# Altium PCB ActuatorControl_Board_v30.PcbDoc (part 1 of 3)
Units mil, origin at the board's own origin, x right, y up, seen from the top; angles counter-clockwise.
Board outline 3947.73 x 3947.73 mil, 2 copper layers (Top Layer, Bottom Layer); 150 components, 98 nets, 452 pads, 1502 vias.
Unrouted connection lines stored in the file: 26.
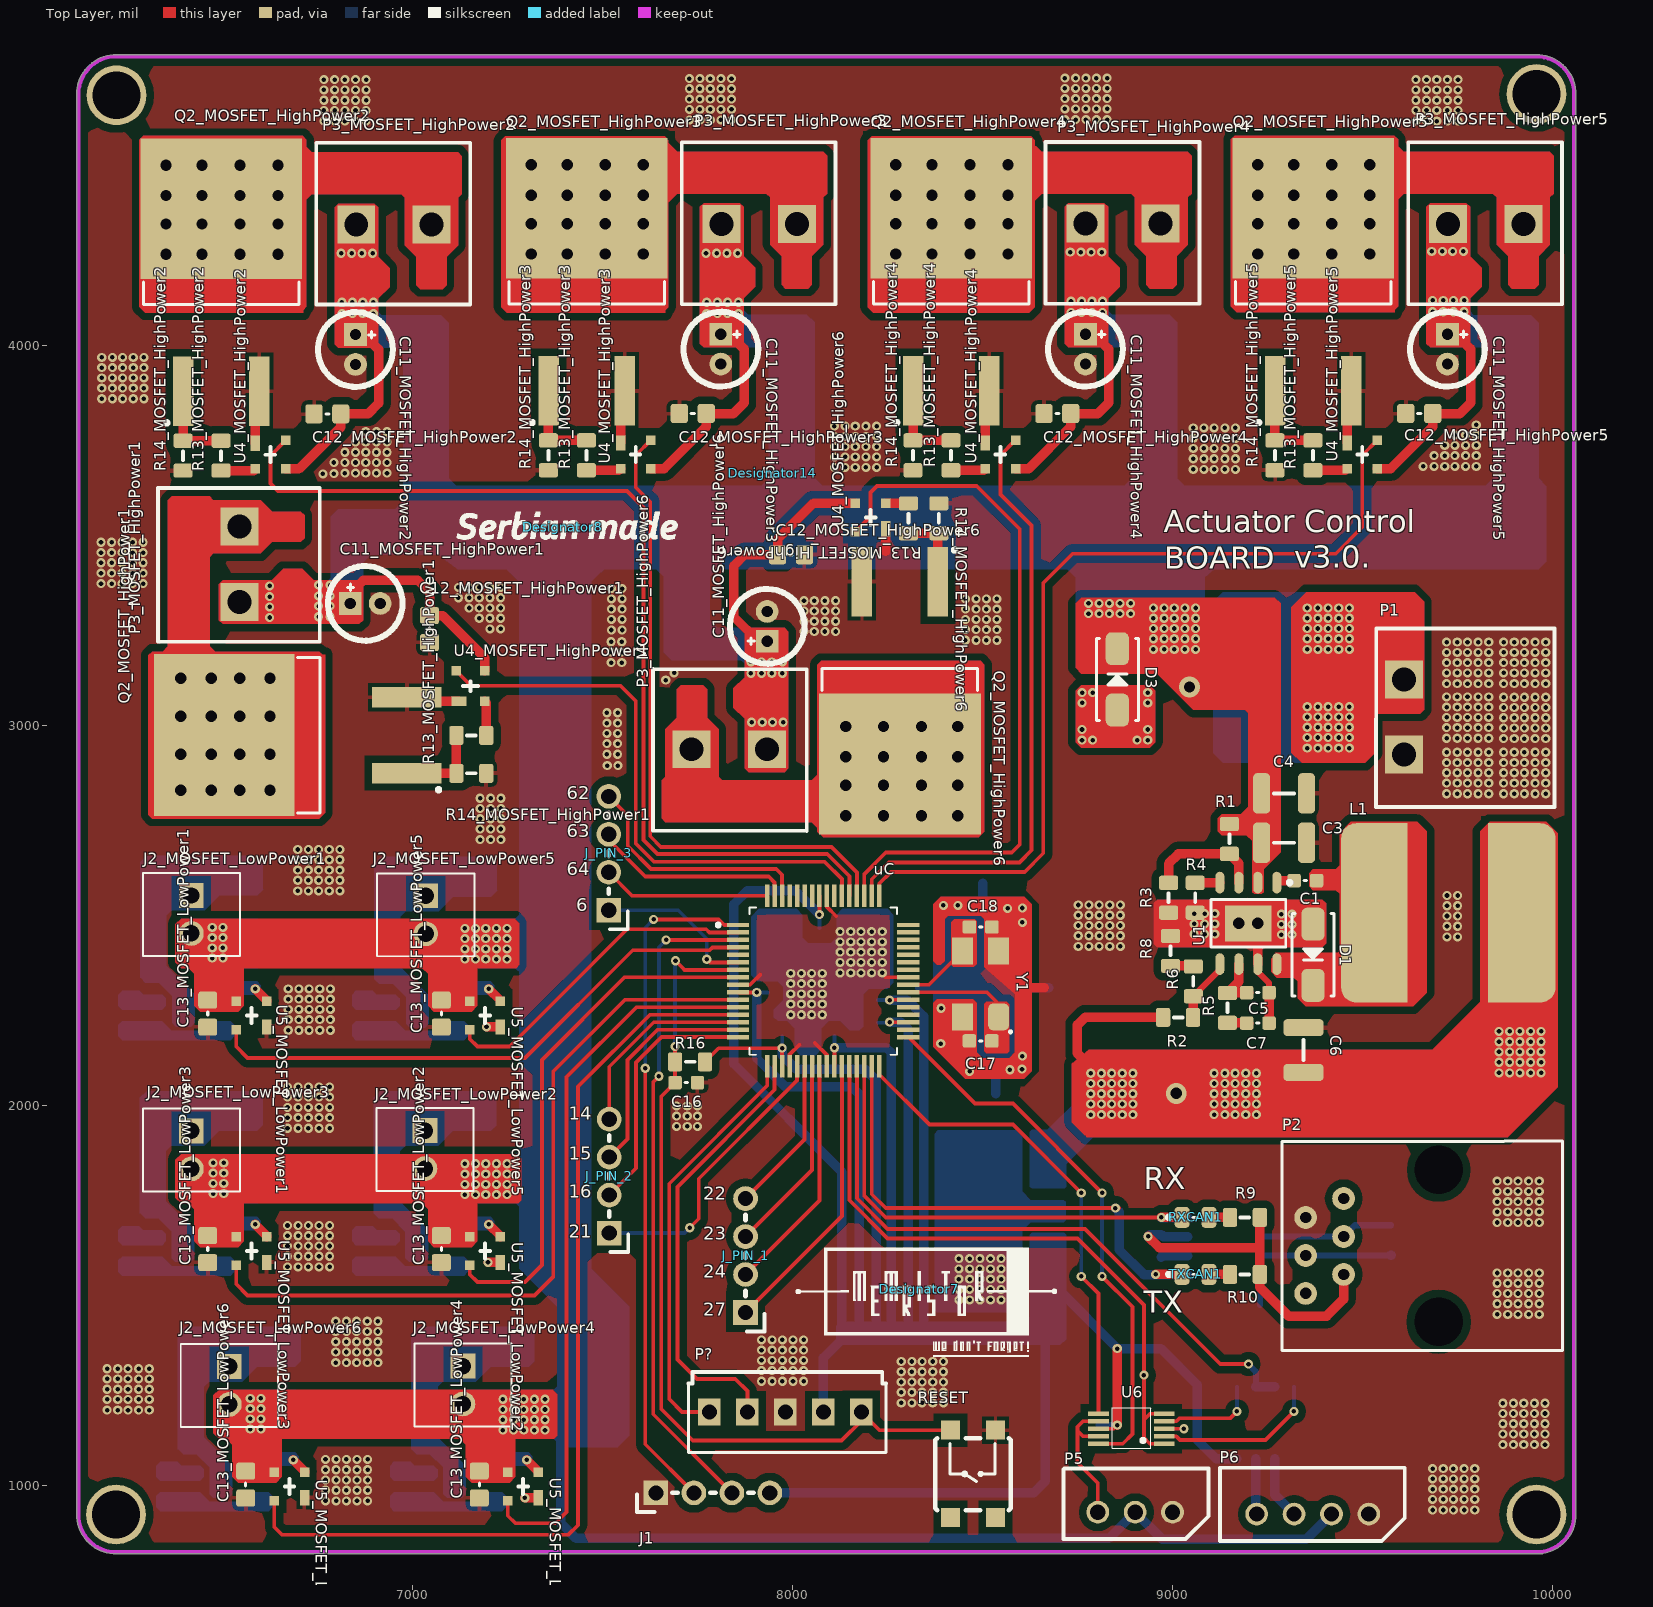
[diagram p0: Top Layer view]
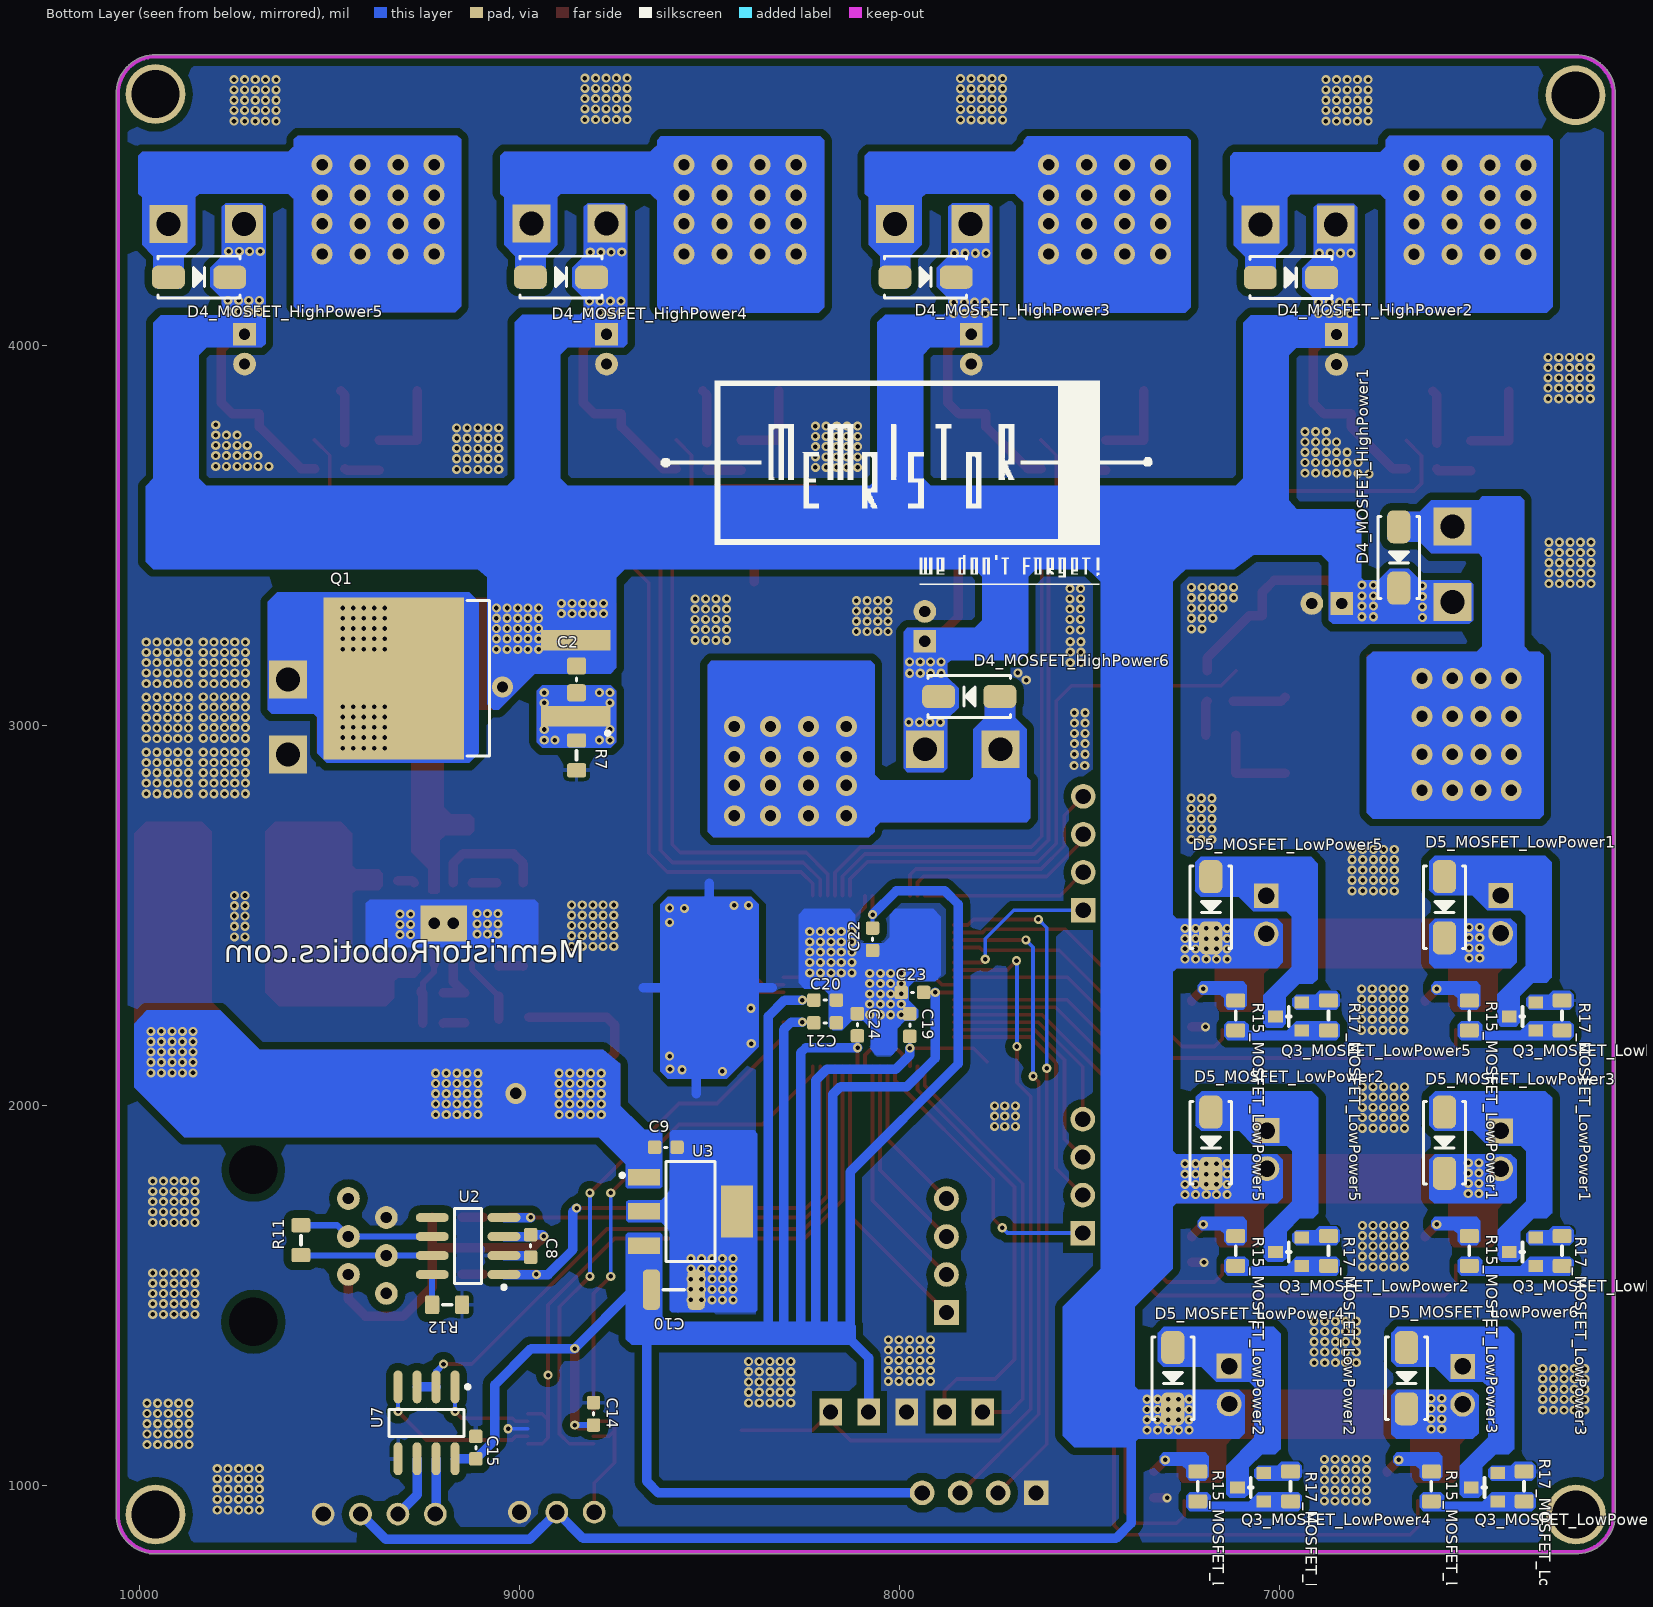
[diagram p1: Bottom Layer view, seen from below]
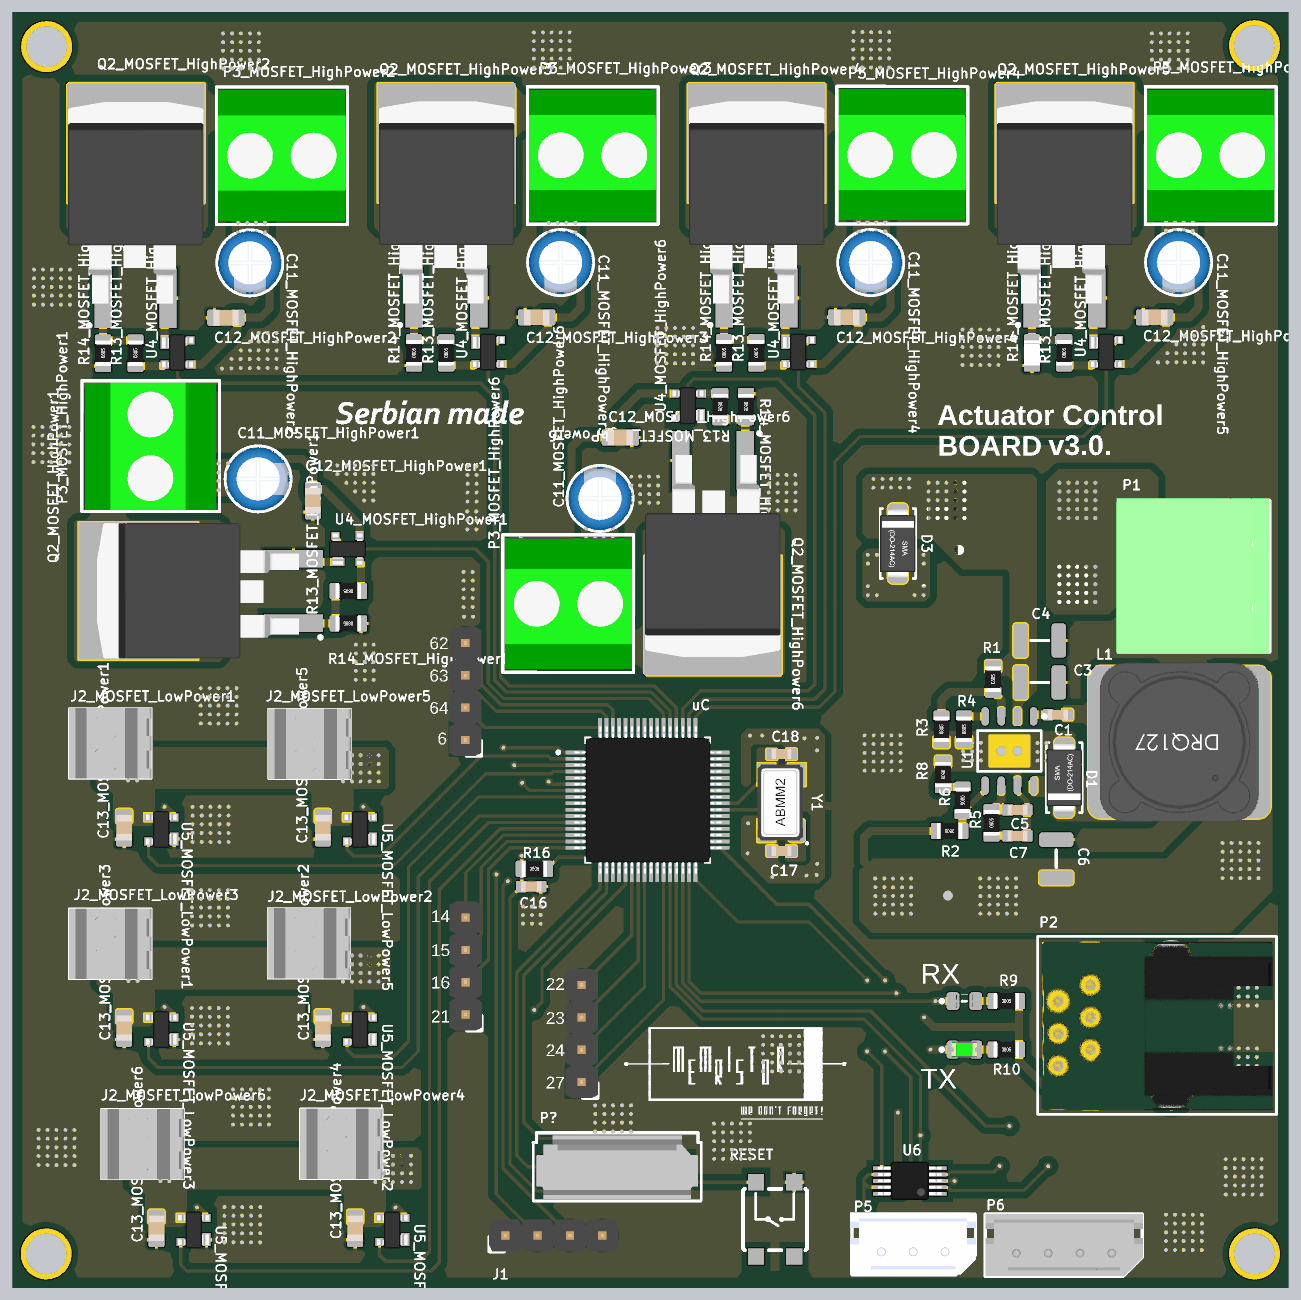
[diagram p4: 3D render of the assembled board from above, using the file's embedded part models]
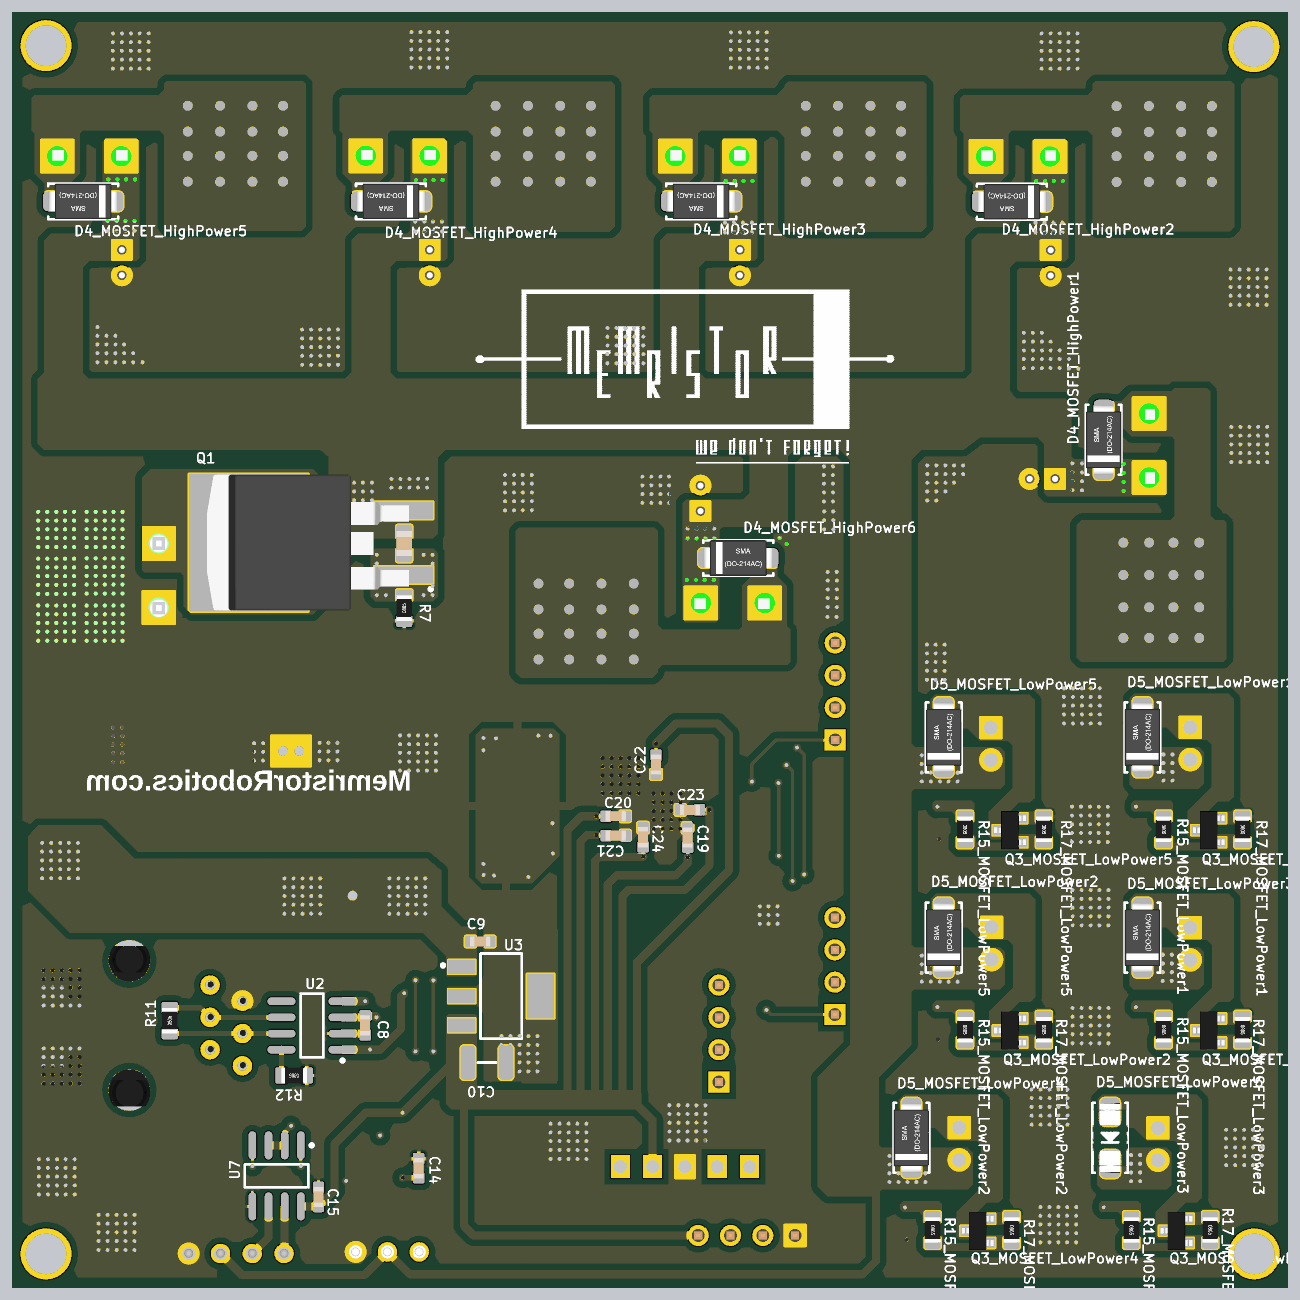
[diagram p5: 3D render of the assembled board from below, using the file's embedded part models]

## Layer stack, top to bottom
Top Solder: solder mask 0.4, Solder Resist, Dk 3.5
Top Layer: signal copper 1.4
Dielectric 1: dielectric 12.6, FR-4, Dk 4.8
Bottom Layer: signal copper 1.4
Bottom Solder: solder mask 0.4, Solder Resist, Dk 3.5

## Board outline
6114.9,924.07 ccw(c6218.68,922.93) 6219.56,819.15 ccw(c6219.51,824.16) 6221.34,819.49 9955.93,819.49 ccw(c9957.74,824.16) 9957.69,819.15 ccw(c9958.83,922.93) 10062.62,922.93 ccw(c9958.83,922.93) 10062.62,923.81 ccw(c10057.6,923.77) 10062.27,925.59 10062.27,4660.18 ccw(c10057.6,4662) 10062.62,4661.94 ccw(c9958.83,4663.09) 10062.62,4663.09 ccw(c9958.83,4663.09) 9957.95,4766.87 ccw(c9958,4761.86) 9956.17,4766.53 6221.59,4766.53 ccw(c6219.77,4761.85) 6219.82,4766.87 ccw(c6218.68,4663.09) 6114.89,4662.21 ccw(c6119.91,4662.25) 6115.24,4660.42 6115.24,925.84 ccw(c6119.91,924.02)

## Design rules (kind name [scope] priority, off if disabled: settings)
Clearance [InPolygon] p1: gap=20 ignorepadtopadclearanceinfootprint=FALSE
Clearance Clearance_1 [All] p2: gap=1 ignorepadtopadclearanceinfootprint=FALSE
PolygonConnect PolygonConnect_5 [All vs IsNamedPolygon('GND_BOTTOM_POLY')] p1: thpad.connectstyle=Direct thpad.reliefconductorwidth=10 thpad.reliefentries=4 thpad.polygonreliefangle="90 Angle" thpad.airgapwidth=10 smdpad.connectstyle=Relief smdpad.reliefconductorwidth=10 smdpad.reliefentries=4 smdpad.polygonreliefangle="90 Angle" smdpad.airgapwidth=10 via.connectstyle=Direct via.reliefconductorwidth=10 via.reliefentries=4 via.polygonreliefangle="90 Angle" via.airgapwidth=10
PolygonConnect ssss [All vs IsNamedPolygon('GND_BOTTOM_POLY')] p2: thpad.connectstyle=Direct thpad.reliefconductorwidth=10 thpad.reliefentries=4 thpad.polygonreliefangle="90 Angle" thpad.airgapwidth=10 smdpad.connectstyle=Relief smdpad.reliefconductorwidth=10 smdpad.reliefentries=4 smdpad.polygonreliefangle="90 Angle" smdpad.airgapwidth=10 via.connectstyle=Relief via.reliefconductorwidth=10 via.reliefentries=4 via.polygonreliefangle="90 Angle" via.airgapwidth=10 // ssss
PolygonConnect PolygonConnect_4 [All vs IsNamedPolygon('GND_TOP_POLY')] p3: thpad.connectstyle=Direct thpad.reliefconductorwidth=10 thpad.reliefentries=4 thpad.polygonreliefangle="90 Angle" thpad.airgapwidth=10 smdpad.connectstyle=Relief smdpad.reliefconductorwidth=10 smdpad.reliefentries=4 smdpad.polygonreliefangle="90 Angle" smdpad.airgapwidth=10 via.connectstyle=Direct via.reliefconductorwidth=10 via.reliefentries=4 via.polygonreliefangle="90 Angle" via.airgapwidth=10
PolygonConnect GND_TOP_POLY [All vs IsNamedPolygon('GND_TOP_POLY')] p4: thpad.connectstyle=Direct thpad.reliefconductorwidth=10 thpad.reliefentries=4 thpad.polygonreliefangle="90 Angle" thpad.airgapwidth=10 smdpad.connectstyle=Relief smdpad.reliefconductorwidth=10 smdpad.reliefentries=4 smdpad.polygonreliefangle="90 Angle" smdpad.airgapwidth=10 via.connectstyle=Relief via.reliefconductorwidth=10 via.reliefentries=4 via.polygonreliefangle="90 Angle" via.airgapwidth=10
PolygonConnect PolygonConnect_3 [All] p5: thpad.connectstyle=Direct thpad.reliefconductorwidth=10 thpad.reliefentries=4 thpad.polygonreliefangle="90 Angle" thpad.airgapwidth=10 smdpad.connectstyle=Relief smdpad.reliefconductorwidth=10 smdpad.reliefentries=4 smdpad.polygonreliefangle="90 Angle" smdpad.airgapwidth=10 via.connectstyle=Direct via.reliefconductorwidth=10 via.reliefentries=4 via.polygonreliefangle="90 Angle" via.airgapwidth=10
PolygonConnect PolygonConnect_2 [All vs IsNamedPolygon('GND_BOTTOM_POLY')] p6: thpad.connectstyle=Direct thpad.reliefconductorwidth=10 thpad.reliefentries=4 thpad.polygonreliefangle="90 Angle" thpad.airgapwidth=10 smdpad.connectstyle=Relief smdpad.reliefconductorwidth=10 smdpad.reliefentries=4 smdpad.polygonreliefangle="90 Angle" smdpad.airgapwidth=10 via.connectstyle=Relief via.reliefconductorwidth=10 via.reliefentries=4 via.polygonreliefangle="90 Angle" via.airgapwidth=10
PolygonConnect PolygonConnect_1 [HasFootprint('CAP5X11_RADIAL') vs IsNamedPolygon('GND_TOP_POLY') Or  IsNamedPolygon('GND_BOTTOM_POLY')] p7: thpad.connectstyle=Direct thpad.reliefconductorwidth=10 thpad.reliefentries=4 thpad.polygonreliefangle="90 Angle" thpad.airgapwidth=10 smdpad.connectstyle=Relief smdpad.reliefconductorwidth=10 smdpad.reliefentries=4 smdpad.polygonreliefangle="90 Angle" smdpad.airgapwidth=10 via.connectstyle=Direct via.reliefconductorwidth=10 via.reliefentries=4 via.polygonreliefangle="90 Angle" via.airgapwidth=10
PolygonConnect [All] p8: connectstyle=Relief reliefconductorwidth=10 reliefentries=4 polygonreliefangle="90 Angle" airgapwidth=10
RoomDefinition MOSFET_HighPower6 [InComponentClass('MOSFET_HighPower6')] p1: confinementstyle=ConfineIn formatcopy=TRUE lockcomponents=FALSE outline 7615,2696 8529,2696 8529,3620 7615,3620
RoomDefinition ActuatorControl_Board_v2.2 [InComponentClass('ActuatorControl_Board_v2.2')] p2: confinementstyle=ConfineIn formatcopy=TRUE lockcomponents=FALSE outline 7710,1041 8355,1041 8355,2630 7710,2630
RoomDefinition UART0 [InComponentClass('UART0')] p3: confinementstyle=ConfineIn formatcopy=TRUE lockcomponents=FALSE outline 8000,920 8000,1040 7480,1040 7480,920
RoomDefinition Oscillator [InComponentClass('Oscillator')] p4: confinementstyle=ConfineIn formatcopy=TRUE lockcomponents=FALSE outline 8390,2520 8390,2120 8605,2120 8605,2520
RoomDefinition MOSFET_LowPower6 [InComponentClass('MOSFET_LowPower6')] p5: confinementstyle=ConfineIn formatcopy=TRUE lockcomponents=FALSE outline 6310,920 6755,920 6755,1500 6310,1500
RoomDefinition MOSFET_LowPower5 [InComponentClass('MOSFET_LowPower5')] p6: confinementstyle=ConfineIn formatcopy=TRUE lockcomponents=FALSE outline 6825,2160 7270,2160 7270,2740 6825,2740
RoomDefinition MOSFET_LowPower4 [InComponentClass('MOSFET_LowPower4')] p7: confinementstyle=ConfineIn formatcopy=TRUE lockcomponents=FALSE outline 6925,920 7370,920 7370,1500 6925,1500
RoomDefinition MOSFET_LowPower3 [InComponentClass('MOSFET_LowPower3')] p8: confinementstyle=ConfineIn formatcopy=TRUE lockcomponents=FALSE outline 6210,1540 6655,1540 6655,2120 6210,2120
RoomDefinition MOSFET_LowPower2 [InComponentClass('MOSFET_LowPower2')] p9: confinementstyle=ConfineIn formatcopy=TRUE lockcomponents=FALSE outline 6825,1540 7270,1540 7270,2120 6825,2120
RoomDefinition MOSFET_LowPower1 [InComponentClass('MOSFET_LowPower1')] p10: confinementstyle=ConfineIn formatcopy=TRUE lockcomponents=FALSE outline 6210,2160 6655,2160 6655,2740 6210,2740
RoomDefinition MOSFET_HighPower5 [InComponentClass('MOSFET_HighPower5')] p11: confinementstyle=ConfineIn formatcopy=TRUE lockcomponents=FALSE outline 9150,3642 10032,3642 10032,4552 9150,4552
RoomDefinition MOSFET_HighPower4 [InComponentClass('MOSFET_HighPower4')] p12: confinementstyle=ConfineIn formatcopy=TRUE lockcomponents=FALSE outline 8197,3642 9079,3642 9079,4552 8197,4552
RoomDefinition MOSFET_HighPower3 [InComponentClass('MOSFET_HighPower3')] p13: confinementstyle=ConfineIn formatcopy=TRUE lockcomponents=FALSE outline 7237,3642 8119,3642 8119,4552 7237,4552
RoomDefinition MOSFET_HighPower2 [InComponentClass('MOSFET_HighPower2')] p14: confinementstyle=ConfineIn formatcopy=TRUE lockcomponents=FALSE outline 6275,3641 7157,3641 7157,4551 6275,4551
RoomDefinition MOSFET_HighPower1 [InComponentClass('MOSFET_HighPower1')] p15: confinementstyle=ConfineIn formatcopy=TRUE lockcomponents=FALSE outline 7224,2715.28 7224,3637 6279,3637 6279,2715.28
RoomDefinition CANbus [InComponentClass('CANbus')] p16: confinementstyle=ConfineIn formatcopy=TRUE lockcomponents=FALSE outline 8920.86,1350.37 10035.86,1350.37 10035.86,1915.37 8920.86,1915.37
RoomDefinition AXRX_Servos [InComponentClass('AXRX_Servos')] p17: confinementstyle=ConfineIn formatcopy=TRUE lockcomponents=FALSE outline 8640.37,844.14 9620.37,844.14 9620.37,1319.14 8640.37,1319.14
RoomDefinition 5v_PowerSupply [InComponentClass('5v_PowerSupply')] p18: confinementstyle=ConfineIn formatcopy=TRUE lockcomponents=FALSE outline 8725,1907 10025,1907 10025,3357 8725,3357
RoomDefinition 3v3_PowerSupply [InComponentClass('3v3_PowerSupply')] p19: confinementstyle=ConfineIn formatcopy=TRUE lockcomponents=FALSE outline 8800,1445 8800,1990 8320,1990 8320,1445
RoutingVias [All] p1: holewidth=28 width=50 viastyle="Through Hole" minholewidth=12 minwidth=24 maxholewidth=28 maxwidth=50
ShortCircuit [All] p1: allowed=TRUE
SolderMaskExpansion [All] p1: expansion=4 istentingtop=FALSE
Width [All] p1: maxlimit=50 minlimit=10 preferedwidth=25
29 further rules are at their usual default settings.

## Classes and differential pairs
component class MOSFET_HighPower6: C11_MOSFET_HighPower6 C12_MOSFET_HighPower6 D4_MOSFET_HighPower6 Q2_MOSFET_HighPower6 R13_MOSFET_HighPower6 R14_MOSFET_HighPower6 U4_MOSFET_HighPower6
channel class MOSFET_IRLML0030: MOSFET_LowPower1 MOSFET_LowPower2 MOSFET_LowPower3 MOSFET_LowPower4 MOSFET_LowPower5 MOSFET_LowPower6
channel class MOSFET_IRF540: MOSFET_HighPower1 MOSFET_HighPower2 MOSFET_HighPower3 MOSFET_HighPower4 MOSFET_HighPower5
component class UART0: J1
component class RESET: C16 R16 RESET
component class Oscillator: C17 C18 Y1
component class MOSFET_LowPower6: C13_MOSFET_LowPower6 D5_MOSFET_LowPower6 J2_MOSFET_LowPower6 Q3_MOSFET_LowPower6 R15_MOSFET_LowPower6 R17_MOSFET_LowPower6 U5_MOSFET_LowPower6
component class MOSFET_LowPower5: C13_MOSFET_LowPower5 D5_MOSFET_LowPower5 J2_MOSFET_LowPower5 Q3_MOSFET_LowPower5 R15_MOSFET_LowPower5 R17_MOSFET_LowPower5 U5_MOSFET_LowPower5
component class MOSFET_LowPower4: C13_MOSFET_LowPower4 D5_MOSFET_LowPower4 J2_MOSFET_LowPower4 Q3_MOSFET_LowPower4 R15_MOSFET_LowPower4 R17_MOSFET_LowPower4 U5_MOSFET_LowPower4
component class MOSFET_LowPower3: C13_MOSFET_LowPower3 D5_MOSFET_LowPower3 J2_MOSFET_LowPower3 Q3_MOSFET_LowPower3 R15_MOSFET_LowPower3 R17_MOSFET_LowPower3 U5_MOSFET_LowPower3
component class MOSFET_LowPower2: C13_MOSFET_LowPower2 D5_MOSFET_LowPower2 J2_MOSFET_LowPower2 Q3_MOSFET_LowPower2 R15_MOSFET_LowPower2 R17_MOSFET_LowPower2 U5_MOSFET_LowPower2
component class MOSFET_LowPower1: C13_MOSFET_LowPower1 D5_MOSFET_LowPower1 J2_MOSFET_LowPower1 Q3_MOSFET_LowPower1 R15_MOSFET_LowPower1 R17_MOSFET_LowPower1 U5_MOSFET_LowPower1
component class MOSFET_HighPower5: C11_MOSFET_HighPower5 C12_MOSFET_HighPower5 D4_MOSFET_HighPower5 Q2_MOSFET_HighPower5 R13_MOSFET_HighPower5 R14_MOSFET_HighPower5 U4_MOSFET_HighPower5
component class MOSFET_HighPower4: C11_MOSFET_HighPower4 C12_MOSFET_HighPower4 D4_MOSFET_HighPower4 Q2_MOSFET_HighPower4 R13_MOSFET_HighPower4 R14_MOSFET_HighPower4 U4_MOSFET_HighPower4
component class MOSFET_HighPower3: C11_MOSFET_HighPower3 C12_MOSFET_HighPower3 D4_MOSFET_HighPower3 Q2_MOSFET_HighPower3 R13_MOSFET_HighPower3 R14_MOSFET_HighPower3 U4_MOSFET_HighPower3
component class MOSFET_HighPower2: C11_MOSFET_HighPower2 C12_MOSFET_HighPower2 D4_MOSFET_HighPower2 Q2_MOSFET_HighPower2 R13_MOSFET_HighPower2 R14_MOSFET_HighPower2 U4_MOSFET_HighPower2
component class MOSFET_HighPower1: C11_MOSFET_HighPower1 C12_MOSFET_HighPower1 D4_MOSFET_HighPower1 Q2_MOSFET_HighPower1 R13_MOSFET_HighPower1 R14_MOSFET_HighPower1 U4_MOSFET_HighPower1
component class CANbus: C8 P2 R9 R10 R11 R12 RXCAN1 TXCAN1 U2
component class AXRX_Servos: C14 C15 P5 P6 U6 U7
component class ActuatorControl_Board_v3.0: C19 C20 C21 C22 C23 C24 J_PIN_1 J_PIN_2 J_PIN_3 P? uC
component class 5v_PowerSupply: C1 C2 C3 C4 C5 C6 C7 D1 D3 L1 P1 Q1 R1 R2 R3 R4 R5 R6 R7 R8 U1
component class 3v3_PowerSupply: C9 C10 U3

## Components (designator, comment, footprint, x,y, rotation, side; value= is the part's Value field where it differs from the comment)
C1 "100n" CER_0603 9350,2592 r90 top
C2 "100nF" CER_0805 8850,3122 r0 bottom
C3 "2.2uF" CER_1210 9295,2692 r270 top
C4 "2.2uF" CER_1210 9295,2822 r270 top
C5 "68p" CER_0603 9225,2297 r270 top
C6 "100uF" CER_1210 9345,2147 r0 top
C7 "15n" CER_0603 9225,2217 r270 top
C8 "100n" CER_0603 8970.86,1630.37 r0 bottom
C9 "100n" CER_0603 8615,1890 r270 bottom
C10 "10uF" TANT_1210 8595,1515 r90 bottom
C11_MOSFET_HighPower1 "100uF" CAP5X11_RADIAL 6835.26,3322 r0 top (schematic designator C11)
C11_MOSFET_HighPower2 "100uF" CAP5X11_RADIAL 6849,4030 r270 top (schematic designator C11)
C11_MOSFET_HighPower3 "100uF" CAP5X11_RADIAL 7811,4031 r270 top (schematic designator C11)
C11_MOSFET_HighPower4 "100uF" CAP5X11_RADIAL 8771,4031 r270 top (schematic designator C11)
C11_MOSFET_HighPower5 "100uF" CAP5X11_RADIAL 9724,4031 r270 top (schematic designator C11)
C11_MOSFET_HighPower6 "100uF" CAP5X11_RADIAL 7933,3222.26 r90 top (schematic designator C11)
C12_MOSFET_HighPower1 "100nF" CER_0805 7044,3254.57 r180 top (schematic designator C12)
C12_MOSFET_HighPower2 "100nF" CER_0805 6775,3821 r90 top (schematic designator C12)
C12_MOSFET_HighPower3 "100nF" CER_0805 7737,3822 r90 top (schematic designator C12)
C12_MOSFET_HighPower4 "100nF" CER_0805 8697,3822 r90 top (schematic designator C12)
C12_MOSFET_HighPower5 "100nF" CER_0805 9650,3822 r90 top (schematic designator C12)
C12_MOSFET_HighPower6 "100nF" CER_0805 7996,3450 r270 top (schematic designator C12)
C13_MOSFET_LowPower1 "100nF" CER_0805 6460,2242 r180 top (schematic designator C13)
C13_MOSFET_LowPower2 "100nF" CER_0805 7075,1622 r180 top (schematic designator C13)
C13_MOSFET_LowPower3 "100nF" CER_0805 6460,1622 r180 top (schematic designator C13)
C13_MOSFET_LowPower4 "100nF" CER_0805 7175,1002 r180 top (schematic designator C13)
C13_MOSFET_LowPower5 "100nF" CER_0805 7075,2242 r180 top (schematic designator C13)
C13_MOSFET_LowPower6 "100nF" CER_0805 6560,1002 r180 top (schematic designator C13)
C14 "100n" CER_0603 8805.37,1188.2 r180 bottom
C15 "100n" CER_0603 9115.37,1099.14 r180 bottom
C16 "100n" CER_0603 7720,2060 r270 top
C17 "20pF" CER_0603 8495,2170 r90 top
C18 "20pF" CER_0603 8495,2470 r270 top
C19 "100n" CER_0603 7972.59,2211.64 r180 bottom
C20 "100n" CER_0603 8195.59,2277.64 r270 bottom
C21 "100n" CER_0603 8195.59,2217.64 r270 bottom
C22 "100n" CER_0603 8070.59,2437.64 r0 bottom
C23 "100n" CER_0603 7965.59,2297.64 r90 bottom
C24 "100n" CER_0603 8110.59,2212.64 r180 bottom
D1 "B360B" DO214AC 9370,2397 r90 top
D3 "12V" DO214AC 8855,3122 r270 top
D4_MOSFET_HighPower1 "SK34" DO214AC 6685,3443 r90 bottom (schematic designator D4)
D4_MOSFET_HighPower2 "SK34" DO214AC 6969,4180 r0 bottom (schematic designator D4)
D4_MOSFET_HighPower3 "SK34" DO214AC 7931,4181 r0 bottom (schematic designator D4)
D4_MOSFET_HighPower4 "SK34" DO214AC 8891,4181 r0 bottom (schematic designator D4)
D4_MOSFET_HighPower5 "SK34" DO214AC 9844,4181 r0 bottom (schematic designator D4)
D4_MOSFET_HighPower6 "SK34" DO214AC 7816,3077 r180 bottom (schematic designator D4)
D5_MOSFET_LowPower1 "SK34" DO214AC 6565,2522 r90 bottom (schematic designator D5)
D5_MOSFET_LowPower2 "SK34" DO214AC 7180,1902 r90 bottom (schematic designator D5)
D5_MOSFET_LowPower3 "SK34" DO214AC 6565,1902 r90 bottom (schematic designator D5)
D5_MOSFET_LowPower4 "SK34" DO214AC 7280,1282 r90 bottom (schematic designator D5)
D5_MOSFET_LowPower5 "SK34" DO214AC 7180,2522 r90 bottom (schematic designator D5)
D5_MOSFET_LowPower6 "SK34" DO214AC 6665,1282 r90 bottom (schematic designator D5)
Designator7 "Comment" Memristor_LOGO_middle 8333,1517 r0 top
Designator8 "Comment" SRB_MADE 7395,3524 r0 top
Designator14 "Comment" Memristor_LOGO_big_inv 7948,3666 r0 top
J1 "HEADER_1x4" HM1X4 7790,980 r0 top (schematic designator UART)
J2_MOSFET_LowPower1 "282834-2" CONNECTOR_282834-2 6417,2503 r270 top (schematic designator J2)
J2_MOSFET_LowPower2 "282834-2" CONNECTOR_282834-2 7032,1884 r270 top (schematic designator J2)
J2_MOSFET_LowPower3 "282834-2" CONNECTOR_282834-2 6417,1883 r270 top (schematic designator J2)
J2_MOSFET_LowPower4 "282834-2" CONNECTOR_282834-2 7132,1264 r270 top (schematic designator J2)
J2_MOSFET_LowPower5 "282834-2" CONNECTOR_282834-2 7034,2502 r270 top (schematic designator J2)
J2_MOSFET_LowPower6 "282834-2" CONNECTOR_282834-2 6517,1263 r270 top (schematic designator J2)
J_PIN_1 "HEADER_1x4" HM1X4 7876,1605 r90 top
J_PIN_2 "HEADER_1x4" HM1X4 7517,1814 r90 top
J_PIN_3 "HEADER_1x4" HM1X4 7516,2664 r90 top
L1 "10uH" INDUCTOR_SS1260-103MLD 9725,2522 r180 top value=10u
P1 "2EDGRC-5.08-02P-14-00A(H)" PWR_Con 9610,2924 r0 top
P2 "RJ-11" RJ11-6N-B 9633.93,1653.2 r180 top
P3_MOSFET_HighPower1 "DRV_B3" MOTOR_CON 6544,3326 r0 top (schematic designator P3)
P3_MOSFET_HighPower2 "DRV_B3" MOTOR_CON 6851,4320 r270 top (schematic designator P3)
P3_MOSFET_HighPower3 "DRV_B3" MOTOR_CON 7813,4321 r270 top (schematic designator P3)
P3_MOSFET_HighPower4 "DRV_B3" MOTOR_CON 8771,4322 r270 top (schematic designator P3)
P3_MOSFET_HighPower5 "DRV_B3" MOTOR_CON 9726,4321 r270 top (schematic designator P3)
P3_MOSFET_HighPower6 "DRV_B3" MOTOR_CON 7932,2938 r90 top (schematic designator P3)
P5 "Molex Spox 5264" "AX12_Molex Spox 5264" 9000.37,929.14 r180 top
P6 "KonServoiRX24" "RX24_Molex Spox 5264" 9517.22,924.14 r180 top
P? "PICKIT" "TE CONNECTIVITY_5PIN_MALE" 8181,1193 r180 top (schematic designator PICKIT)
Q1 "IRF9540NSPBF" D2PAK-2 9015,3127 r90 bottom
Q2_MOSFET_HighPower1 "IRF540NSPBF" D2PAK-2 6820.8,2977.78 r90 top (schematic designator Q2)
Q2_MOSFET_HighPower2 "IRF540NSPBF" D2PAK-2 6498.21,4044.2 r0 top (schematic designator Q2)
Q2_MOSFET_HighPower3 "IRF540NSPBF" D2PAK-2 7460.21,4045.2 r0 top (schematic designator Q2)
Q2_MOSFET_HighPower4 "IRF540NSPBF" D2PAK-2 8420.21,4045.2 r0 top (schematic designator Q2)
Q2_MOSFET_HighPower5 "IRF540NSPBF" D2PAK-2 9373.21,4045.2 r0 top (schematic designator Q2)
Q2_MOSFET_HighPower6 "IRF540NSPBF" D2PAK-2 8280,3216 r180 top (schematic designator Q2)
Q3_MOSFET_LowPower1 "IRLML0030TRPBF" SOT-23 6394.69,2234.4 r90 bottom (schematic designator Q3)
Q3_MOSFET_LowPower2 "IRLML0030TRPBF" SOT-23 7009.69,1614.4 r90 bottom (schematic designator Q3)
Q3_MOSFET_LowPower3 "IRLML0030TRPBF" SOT-23 6394.69,1614.4 r90 bottom (schematic designator Q3)
Q3_MOSFET_LowPower4 "IRLML0030TRPBF" SOT-23 7109.69,994.4 r90 bottom (schematic designator Q3)
Q3_MOSFET_LowPower5 "IRLML0030TRPBF" SOT-23 7009.69,2234.4 r90 bottom (schematic designator Q3)
Q3_MOSFET_LowPower6 "IRLML0030TRPBF" SOT-23 6494.69,994.4 r90 bottom (schematic designator Q3)
R1 "330k" RESC2013X38N-0805-NOOVERLAY 9150,2702 r180 top
R2 "51k" RESC2013X38N-0805-NOOVERLAY 9015,2232 r270 top
R3 "56k" RESC2013X38N-0805-NOOVERLAY 8990,2547 r180 top
R4 "160k" RESC2013X38N-0805-NOOVERLAY 9060,2547 r180 top
R5 "15k" RESC2013X38N-0805-NOOVERLAY 9145,2257 r180 top
R6 "9.1k" RESC2013X38N-0805-NOOVERLAY 9055,2327 r0 top
R7 "2.7k" RESC2013X38N-0805-NOOVERLAY 8850,2922 r0 bottom
R8 "620R" RESC2013X38N-0805-NOOVERLAY 8995,2407 r0 top
R9 "1k" RESC2013X38N-0805-NOOVERLAY 9190.86,1705.37 r90 top
R10 "1k" RESC2013X38N-0805-NOOVERLAY 9190.86,1555.37 r90 top
R11 "120R" RESC2013X38N-0805-NOOVERLAY 9575.86,1645.37 r0 bottom
R12 "10k" RESC2013X38N-0805-NOOVERLAY 9190.86,1475.37 r270 bottom
R13_MOSFET_HighPower1 "100R" RESC2013X38N-0805-NOOVERLAY 7154,2974.57 r270 top (schematic designator R13)
R13_MOSFET_HighPower2 "100R" RESC2013X38N-0805-NOOVERLAY 6495,3711 r180 top (schematic designator R13)
R13_MOSFET_HighPower3 "100R" RESC2013X38N-0805-NOOVERLAY 7457,3712 r180 top (schematic designator R13)
R13_MOSFET_HighPower4 "100R" RESC2013X38N-0805-NOOVERLAY 8417,3712 r180 top (schematic designator R13)
R13_MOSFET_HighPower5 "100R" RESC2013X38N-0805-NOOVERLAY 9370,3712 r180 top (schematic designator R13)
R13_MOSFET_HighPower6 "100R" RESC2013X38N-0805-NOOVERLAY 8305,3546 r0 top (schematic designator R13)
R14_MOSFET_HighPower1 "4.7k" RESC2013X38N-0805-NOOVERLAY 7154,2874.57 r270 top (schematic designator R14)
R14_MOSFET_HighPower2 "4.7k" RESC2013X38N-0805-NOOVERLAY 6395,3711 r180 top (schematic designator R14)
R14_MOSFET_HighPower3 "4.7k" RESC2013X38N-0805-NOOVERLAY 7357,3712 r180 top (schematic designator R14)
R14_MOSFET_HighPower4 "4.7k" RESC2013X38N-0805-NOOVERLAY 8317,3712 r180 top (schematic designator R14)
R14_MOSFET_HighPower5 "4.7k" RESC2013X38N-0805-NOOVERLAY 9270,3712 r180 top (schematic designator R14)
R14_MOSFET_HighPower6 "4.7k" RESC2013X38N-0805-NOOVERLAY 8385,3546 r0 top (schematic designator R14)
R15_MOSFET_LowPower1 "100R" RESC2013X38N-0805-NOOVERLAY 6499.37,2237 r180 bottom (schematic designator R15)
R15_MOSFET_LowPower2 "100R" RESC2013X38N-0805-NOOVERLAY 7114.37,1617 r180 bottom (schematic designator R15)
R15_MOSFET_LowPower3 "100R" RESC2013X38N-0805-NOOVERLAY 6499.37,1617 r180 bottom (schematic designator R15)
R15_MOSFET_LowPower4 "100R" RESC2013X38N-0805-NOOVERLAY 7214.37,997 r180 bottom (schematic designator R15)
R15_MOSFET_LowPower5 "100R" RESC2013X38N-0805-NOOVERLAY 7114.37,2237 r180 bottom (schematic designator R15)
R15_MOSFET_LowPower6 "100R" RESC2013X38N-0805-NOOVERLAY 6599.37,997 r180 bottom (schematic designator R15)
R16 "10k" RESC2013X38N-0805-NOOVERLAY 7730,2115 r90 top
R17_MOSFET_LowPower1 "4.7k" RESC2013X38N-0805-NOOVERLAY 6255,2237 r180 bottom (schematic designator R17)
R17_MOSFET_LowPower2 "4.7k" RESC2013X38N-0805-NOOVERLAY 6870,1617 r180 bottom (schematic designator R17)
R17_MOSFET_LowPower3 "4.7k" RESC2013X38N-0805-NOOVERLAY 6255,1617 r180 bottom (schematic designator R17)
R17_MOSFET_LowPower4 "4.7k" RESC2013X38N-0805-NOOVERLAY 6970,997 r180 bottom (schematic designator R17)
R17_MOSFET_LowPower5 "4.7k" RESC2013X38N-0805-NOOVERLAY 6870,2237 r180 bottom (schematic designator R17)
R17_MOSFET_LowPower6 "4.7k" RESC2013X38N-0805-NOOVERLAY 6355,997 r180 bottom (schematic designator R17)
RESET "TASTER" TASTER_SMD 8475,1030 r270 top
RXCAN1 "LED GREEN" LED_GREEN_0805 9060.86,1705.37 r0 top
TXCAN1 "LED GREEN" LED_GREEN_0805 9060.86,1555.37 r0 top
U1 "TPS54340" HSOP-8 9200,2479.72 r270 top
U2 "SN65HVD230DR" SOIC-8 9135.86,1630.37 r0 bottom
U3 "LM2937-5" SOT223 8550,1721 r270 bottom
U4_MOSFET_HighPower1 "MIC4416YM4-TR" SOT143-4 7121.5,3064.57 r90 top (schematic designator U4)
U4_MOSFET_HighPower2 "MIC4416YM4-TR" SOT143-4 6585,3743.5 r0 top (schematic designator U4)
U4_MOSFET_HighPower3 "MIC4416YM4-TR" SOT143-4 7547,3744.5 r0 top (schematic designator U4)
U4_MOSFET_HighPower4 "MIC4416YM4-TR" SOT143-4 8507,3744.5 r0 top (schematic designator U4)
U4_MOSFET_HighPower5 "MIC4416YM4-TR" SOT143-4 9460,3744.5 r0 top (schematic designator U4)
U4_MOSFET_HighPower6 "MIC4416YM4-TR" SOT143-4 8245,3518.5 r180 top (schematic designator U4)
U5_MOSFET_LowPower1 "MIC4416YM4-TR" SOT143-4 6615,2207 r180 top (schematic designator U5)
U5_MOSFET_LowPower2 "MIC4416YM4-TR" SOT143-4 7230,1587 r180 top (schematic designator U5)
U5_MOSFET_LowPower3 "MIC4416YM4-TR" SOT143-4 6615,1587 r180 top (schematic designator U5)
U5_MOSFET_LowPower4 "MIC4416YM4-TR" SOT143-4 7330,967 r180 top (schematic designator U5)
U5_MOSFET_LowPower5 "MIC4416YM4-TR" SOT143-4 7230,2207 r180 top (schematic designator U5)
U5_MOSFET_LowPower6 "MIC4416YM4-TR" SOT143-4 6715,967 r180 top (schematic designator U5)
U6 "TS5A23159" TSSOP10 8978.6,1188.2 r180 top
U7 "MAX485" SOIC-8 9245.37,1164.14 r270 bottom
uC "" TQFP-64-500um 8080.59,2327.64 r270 top
Y1 "8Hz" ABM10 8495,2320 r90 top

## Footprints (in the part's own frame and the unit in brackets; to place one, negate y for a bottom-side part, rotate by r counter-clockwise, add the part's x,y. Pads: shape width x height; smd on the part's side, far side on the other; paste and mask are expansions set on the pad)
ABM10 [mm] "0.098\" L x 0.079\" W (2.50mm x 2.00mm)"
  rrect50% 1.8x1.4 smd: 1(-2.2,-1.2)
  rect 1.8x1.4 smd: 2(2.2,-1.2) 3(2.2,1.2) 4(-2.2,1.2)
  silkscreen extent -3.24,-2.04 -3.16,-1.96, body extent -3,-1.7 3,1.9, height 1.21
"AX12_Molex Spox 5264" [mil] "2.50 mm"
  round 60 hole 40: 1(0,0) 2(98.43,0) 3(196.85,0)
  silkscreen extent -94,-115 287,71, body extent -97,-122 293,71, height 236
CAP5X11_RADIAL [mil]
  rect 60x60 hole 29.53 paste-45.28: 1(0,0)
  round 60 hole 29.53 paste-45.28: 2(78.74,0)
  silkscreen extent -59,-98 138,98, body extent -59,-98 138,98, height 448
CER_0603 [mm]
  rrect30% 0.9x0.9 smd: 1(0,0.75) 2(0,-0.75)
  silkscreen extent 0,-0.08 0,0.08, body extent -0.4,-0.8 0.4,0.8, height 0.79
CER_0805 [mm]
  rrect30% 1.27x1.15 smd: 1(0,0.9) 2(0,-0.9)
  silkscreen extent 0,-0.1 0,0.1, body extent -0.62,-1 0.63,1, height 0.6
CER_1210 [mm]
  rrect50% 2.7x1.15 smd: 1(0.003,1.474) 2(0.003,-1.526)
  silkscreen extent 0,-0.71 0,0.66, body extent -1.25,-1.6 1.25,1.6, height 1
CONNECTOR_282834-2 [mm] "Low Power MOSFET"
  rect 1.65x1.65 hole 1.1: 1(-1.27,0)
  round 1.65 hole 1.1: 2(1.27,0)
  silkscreen extent -2.77,-3.25 2.77,3.25, body extent -2.77,-3.25 2.77,3.25, height 10.01
D2PAK-2 [mil]
  rect 54x183 smd: 1(-102.5,-163.06) 3(97.5,-163.06)
  rect 426x370 smd: 2(-2.5,316.8)
  silkscreen extent -207,-252 202,124, body extent -212,-180 208,445, height 190
DO214AC [mm] "Diode,Molded Body;5.105mm L X 2.665mm W X 2.29mm H"
  rrect50% 2.2x1.55 smd: 1(-2.05,0) 2(2.05,0)
  silkscreen extent -2.75,-1.4 2.75,1.4, body extent -2.75,-1.4 2.75,1.4, height 2.6
HM1X4 [mil] "Contact Mating Length-6.00mm"
  rect 65x65 hole 40: 1(-150,0)
  round 65 hole 40: 2(-50,0) 3(50,0) 4(150,0)
  silkscreen extent -200,-50 107,0, body extent -200,-50 200,50, height 336
HSOP-8 [mm] "SOIC, 8-Leads, Body 4.90x3.90mm, Pitch 1.27mm, Thermal Pad 3.10x2.40mm, IPC Medium Density"
  oval 1.45x0.6 smd: 1(-2.725,1.905) 2(-2.725,0.635) 3(-2.725,-0.635) 4(-2.725,-1.905) 5(2.725,-1.905) 6(2.725,-0.635) 7(2.725,0.635) 8(2.725,1.905)
  rect 2.4x3.1 all layers, no hole: 9(0,0)
  silkscreen extent -2.85,-2.5 1.6,2.88, body extent -3.02,-2.36 3.01,2.34, height 1.7
INDUCTOR_SS1260-103MLD [mil]
  rect 75x472.44 smd: 1(144,15) 2(-144,15)
  rrect50% 157.48x472.44 smd: 1(202,15) 2(-205,15)
  body extent -247,-231 245,261, height 315
LED_GREEN_0805 [mm] "Diode GREEN;2.00mm L X 1.25mm W X 1.20mm H"
  rrect50% 1x1.4 smd: 1(-0.9,0) 2(0.9,0)
  silkscreen extent -1.9,-0.13 0.18,0.13, body extent -1.01,-0.62 1.01,0.63, height 1.1
Memristor_LOGO_big_inv [mil]
Memristor_LOGO_middle [mil]
  silkscreen extent -325,-177 363,108
MOTOR_CON [mm]
  rect 2.54x2.54 hole 1.6: 1(0,0) 2(0,5.029)
  silkscreen extent -5.47,-2.67 5.36,7.62, body extent -5.22,-2.54 5.08,7.46, height 14
PWR_Con [mm]
  rect 2.54x2.54 hole 1.6: 1(0,0) 2(0,5.029)
  silkscreen extent -1.88,-3.51 10.06,8.42, body extent -2.01,-3.59 10,8.57, height 8.73
RESC2013X38N-0805-NOOVERLAY [mm] "Resistor,Chip;2.03mm L X 1.27mm W X 0.6mm H"
  rrect30% 1.27x0.95 smd: 1(0,1) 2(0,-1)
  silkscreen extent 0,-0.29 0,0.29, body extent -0.62,-1 0.63,1, height 0.5
RJ11-6N-B [mm] "RJ11 MODULAR JACK 6 POSITION, 1 PORT"
  round 1.524 hole 0.76: 1(7.19,3.76) 2(4.65,2.49) 3(7.19,1.22) 4(4.65,-0.05) 5(7.19,-1.32) 6(4.65,-2.59)
  round 0 hole 3.25: M1(-1.7,5.66) M2(-1.7,-4.5)
  silkscreen extent -9.98,-6.42 8.79,7.58, body extent -9.71,-6.01 8.49,7.29, height 11.5
"RX24_Molex Spox 5264" [mil] "2.50 mm"
  round 60 hole 40: 1(0,0) 2(98.43,0) 3(196.85,0) 4(295.28,0)
  silkscreen extent -94,-122 392,71, body extent -96,-123 392,70, height 236
SOIC-8 [mm]
  oval 2.2x0.6 smd: 1(-2.409,1.914) 2(-2.409,0.644) 3(-2.409,-0.626) 4(-2.409,-1.896) 5(2.391,-1.896) 6(2.391,-0.626) 7(2.391,0.644) 8(2.391,1.914)
  silkscreen extent -2.53,-2.49 0.89,2.89, body extent -2.84,-2.45 2.93,2.45, height 1.45
SOT143-4 [mil]
  rect 25x40 smd: 1(0,0)
  rect 25x25 smd: 2(0,-67.5) 3(80,-67.5) 4(80,7.5)
  silkscreen extent 27,-50 52,-10, body extent -8,-87 88,27, height 39
SOT223 [mm] "SOT-223/SC-73; 4 Leads; Body 6.7 x 7.3 mm, inc. leads (LxW max)"
  rect 1.1x2.15 smd: 1(-2.3,-3.1) 2(0,-3.1) 3(2.3,-3.1)
  rect 3.5x2.15 smd: 4(0,3.1)
  silkscreen extent -3.35,-4.7 3.35,1.63, body extent -3.25,-3.6 3.25,3.4, height 1.7
SOT-23 [mm]
  rect 0.802x0.972 smd: 1(-0.95,-1.77) 2(0.95,-1.77) 3(0,0)
  silkscreen extent -0.64,-1.02 0.63,-0.76, body extent -1.5,-2.14 1.5,0.36, height 1.11
SRB_MADE [mil]
  silkscreen extent -279,-33 302,40
TANT_1210 [mm]
  rrect50% 2.7x1.15 smd: 1(0.003,1.474) 2(0.003,-1.526)
  silkscreen extent 0,-0.71 0,0.66, body extent -1.4,-1.83 1.4,1.83, height 1.92
TASTER_SMD [mil]
  rect 50x50 smd: 0(115,59.06) 0(115,-59.06) 1(-115,59.06) 2(-115,-59.06)
  silkscreen extent -94,-99 96,99, body extent -124,-99 124,99, height 130
"TE CONNECTIVITY_5PIN_MALE" [mm] "BLUE_5PIN_CONECTOR"
  rect 1.5x1.8 hole 1.016: 1(0,0) 2(2.54,0) 3(5.08,0) 4(7.62,0) 5(10.16,0)
  silkscreen extent -1.65,-2.67 11.56,2.7, body extent -1.4,-2.46 11.3,2.54, height 11.43
TQFP-64-500um [mm]
  rect 0.3x1.5 smd mask+0: 1(-3.75,-5.7) 2(-3.25,-5.7) 3(-2.75,-5.7) 4(-2.25,-5.7) 5(-1.75,-5.7) 6(-1.25,-5.7) 7(-0.75,-5.7) 8(-0.25,-5.7) 9(0.25,-5.7) 10(0.75,-5.7) 11(1.25,-5.7) 12(1.75,-5.7) 13(2.25,-5.7) 14(2.75,-5.7) 15(3.25,-5.7) 16(3.75,-5.7) 33(3.75,5.7) 34(3.25,5.7) 35(2.75,5.7) 36(2.25,5.7) 37(1.75,5.7) 38(1.25,5.7) 39(0.75,5.7) 40(0.25,5.7) 41(-0.25,5.7) 42(-0.75,5.7) 43(-1.25,5.7) 44(-1.75,5.7) 45(-2.25,5.7) 46(-2.75,5.7) 47(-3.25,5.7) 48(-3.75,5.7)
  rect 1.5x0.3 smd mask+0: 17(5.7,-3.75) 18(5.7,-3.25) 19(5.7,-2.75) 20(5.7,-2.25) 21(5.7,-1.75) 22(5.7,-1.25) 23(5.7,-0.75) 24(5.7,-0.25) 25(5.7,0.25) 26(5.7,0.75) 27(5.7,1.25) 28(5.7,1.75) 29(5.7,2.25) 30(5.7,2.75) 31(5.7,3.25) 32(5.7,3.75) 49(-5.7,3.75) 50(-5.7,3.25) 51(-5.7,2.75) 52(-5.7,2.25) 53(-5.7,1.75) 54(-5.7,1.25) 55(-5.7,0.75) 56(-5.7,0.25) 57(-5.7,-0.25) 58(-5.7,-0.75) 59(-5.7,-1.25) 60(-5.7,-1.75) 61(-5.7,-2.25) 62(-5.7,-2.75) 63(-5.7,-3.25) 64(-5.7,-3.75)
  silkscreen extent -4.92,-7.1 4.92,4.92, body extent -5.79,-5.76 5.79,5.82, height 1
TSSOP10 [mm]
  rect 1.4x0.3 smd: 1(0,2) 2(0,1.5) 3(0,1) 4(0,0.5) 5(0,0) 6(4.4,0) 7(4.4,0.5) 8(4.4,1) 9(4.4,1.5) 10(4.4,2)
  silkscreen extent 0.91,-0.41 3.48,2.31, body extent -0.29,-0.51 4.71,2.49, height 1.1